# Altium PCB PCB-MB202-00.PcbDoc (part 2 of 7) (continued)
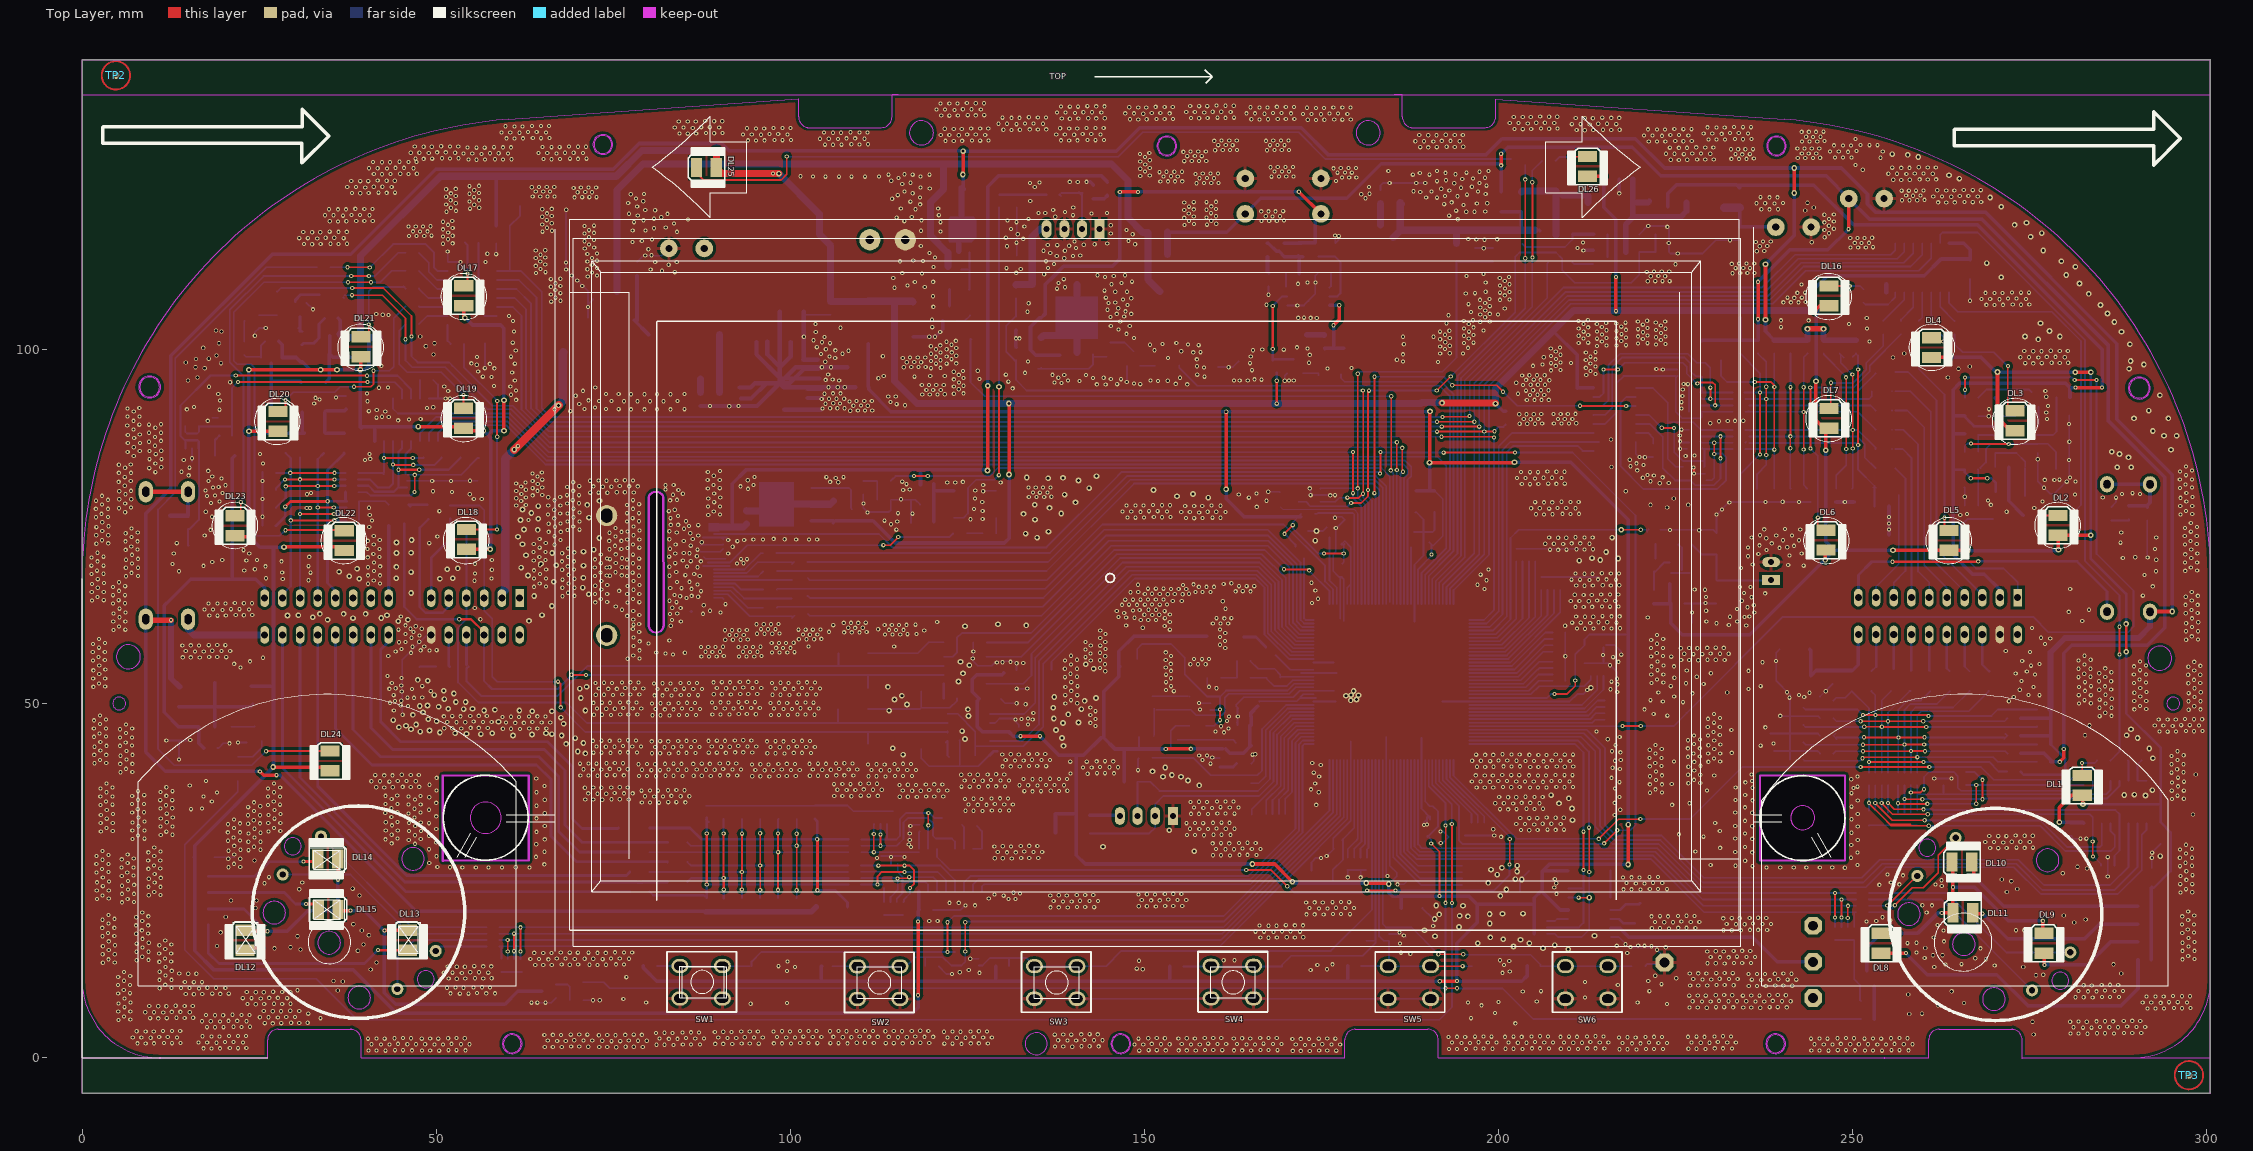
[diagram p0: Top Layer view]
## Nets (pads, with @x,y where several pads share a name; then routed paths per layer and width w, separated by ;. In a path a pad name is that pad's centre, name@x,y a point inside that pad or via, vN(x,y) a via of type N, cw(c..) or ccw(c..) an arc to the next point about the centre after c; other vN are vias at no path point) (continued)
AD8: DZ5.1 RP8.5 RP10.8 U17.4 | length 21.7
  Top Layer w0.25: v1(223.101,89.002) 223.127,88.976 v1(224.828,88.976)
  Bottom Layer w0.25: U17.4@219.445,90.806 221.296,90.806 v1(223.101,89.002) ; v1@224.854,88.951 224.854,85.522 226.059,84.316 229.125,84.316 ; RP10.8@228.745,86.028 RP10.8@228.885,86.028 ; RP10.8@228.865,86.048 RP10.8@228.885,86.028 ; DZ5.1@229.075,83.466 229.065,83.456 229.055,83.456 229.125,83.526 RP10.8@229.125,86.028 ; RP8.5@233.115,85.978 RP10.8@229.125,85.978 ; RP10.8@228.885,86.028 RP10.8@229.125,86.028 ; RP10.8@228.885,86.028 228.935,85.978 RP10.8@229.125,85.978 ; RP10.8@229.125,85.978 RP10.8@229.125,86.028
AD9: DZ7.6 RP15.8 RP18.5 U18.13 | length 49.3
  Top Layer w0.25: v4(252.365,36.017) 252.365,35.96 254.38,33.946 ; 258.28,32.995 255.331,32.995 254.38,33.946 ; v1(260.82,32.791) 255.534,32.791 254.38,33.946
  Bottom Layer w0.25: RP15.8@252.363,38.508 252.365,38.506 v4(252.365,36.017) RP18.5@252.365,34.947 ; v1(260.82,32.791) 276.543,32.791 280.124,29.21 286.5,29.21 287.071,29.781 DZ7.6@287.071,30.309 287.071,31.458 286.499,32.03 U18.13@286.499,33.144
AD10: DZ7.4 RP15.7 RP18.6 U18.14 | length 41.4
  Top Layer w0.25: v4(253.265,36.015) 253.265,35.937 255.649,33.553 v1(260.236,33.553)
  Bottom Layer w0.25: RP18.6@253.265,34.947 v4(253.265,36.015) RP15.7@253.265,38.506 ; v1(260.236,33.553) 260.261,33.528 276.568,33.528 280.302,29.794 285.001,29.794 285.229,30.023 U18.14@285.229,33.144
AD11: DZ7.3 RP15.6 RP18.7 U18.15 | length 41.6
  Top Layer w0.25: v4(254.165,35.992) 254.165,35.94 255.688,34.417 v1(260.668,34.417) ; v1@283.959,28.448 v1(283.959,30.556)
  Bottom Layer w0.25: RP15.6@254.163,38.508 254.165,38.506 v4(254.165,35.992) RP18.7@254.165,34.947 ; v1(260.668,34.417) 276.238,34.417 276.24,34.419 283.53,34.419 283.959,33.99 U18.15@283.959,33.144 v1(283.959,30.556) ; v1@283.959,28.448 284.081,28.448 285.146,27.383 DZ7.3@285.146,27.159
  other v1: 284.01,28.448
AD12: DZ7.1 RP15.5 RP18.8 U18.12 | length 44.9
  Top Layer w0.25: v4(255.065,35.995) 255.957,35.103 260.007,35.103 v1@260.058,35.052
  Bottom Layer w0.25: RP15.5@255.063,38.508 255.065,38.506 v4(255.065,35.995) RP18.8@255.065,34.625 ; v1@260.058,35.052 v1@260.084,35.027 ; v1@260.058,35.092 261.354,35.092 261.444,35.001 287.185,35.001 287.769,34.417 U18.12@287.769,33.144 287.769,29.286 287.046,28.563 DZ7.1@287.046,27.159
  other v1: 260.058,35.103
AD12-0: C82.2 DZ15.1 R160.1 R161.2 U10.83 | length 73.2
  Top Layer w0.25: v1@180.175,80.289 v1(180.175,80.442) 180.175,94.488 ; 180.175,95.352 180.175,94.488 ; v1(180.175,96.622) 180.175,94.488
  Bottom Layer w0.25: DZ15.1@174.911,80.429 174.923,80.442 v1(180.175,80.442) 180.175,79.172 181.187,78.16 181.187,76.911 ; v1(180.175,96.622) 180.455,96.901 192.139,96.901 194.12,98.882 R160.1@194.12,112.497 ; U10.83@181.187,64.093 181.187,76.911 ; 181.187,77.207 181.187,76.911
  Bottom Layer w0.3: R160.1@194.12,112.497 194.14,112.476 C82.2@196.711,112.476 R161.2@199.276,112.476
AD12-1: C53.2 DZ15.3 R27.1 R45.2 U10.84 | length 99.8
  Top Layer w0.25: v1(178.702,79.121) 178.742,79.081 180.288,79.081 180.937,79.731 v1@180.937,94.234
  Bottom Layer w0.25: 130.518,99.973 130.518,100.279 ; C53.2@131.707,98.506 131.707,98.532 130.518,99.72 130.518,100.279 ; R27.1@131.89,107.29 R45.2@131.89,104.668 131.783,104.668 130.518,103.403 130.518,100.279 ; C53.2@131.915,98.577 C53.2@131.915,98.506 131.915,95.733 133.388,94.259 v1(180.886,94.259) v1@180.963,94.259 ; DZ15.3@174.911,78.529 176.993,78.529 177.584,79.121 v1(178.702,79.121) ; v1@180.912,79.756 v1(180.912,79.68) 180.912,79.172 181.687,78.397 U10.84@181.687,64.093
AD12-2: C18.2 DZ15.4 R67.2 R104.1 U10.85 | length 103.9
  Top Layer w0.25: v1@179.235,78.359 180.632,78.359 181.623,79.35 v1(181.623,80.213) 181.623,94.056 v1@181.775,94.209 ; v1(191.326,94.259) v1(193.307,96.241)
  Bottom Layer w0.2: DZ15.4@171.761,78.529 172.893,78.529 173.493,77.929 178.738,77.929 179.193,78.384 v1(179.235,78.384)
  Bottom Layer w0.25: v1(181.623,80.213) 181.623,79.273 182.187,78.709 U10.85@182.187,64.093 ; v1@181.775,94.259 v1(191.326,94.259) ; v1(193.307,96.241) 202.4,105.334 202.4,113.132 203.01,113.741 208.166,113.741 209.055,112.852 209.055,111.227 210.808,109.474 218.809,109.474 219.929,110.594 R104.1@219.929,113.805 219.939,113.815 R67.2@222.219,113.815 C18.2@222.219,116.283
  other v1: 181.75,94.234
AD13: DZ8.6 RP5.5 RP17.8 U18.1 | length 34.3
  Top Layer w0.25: v4@256.505,35.975 v4(256.485,35.955) 256.6,35.839 260.468,35.839 v1@260.505,35.876 ; v1(267.526,35.89) v1(267.526,38.545)
  Bottom Layer w0.25: RP5.5@256.485,34.645 v4(256.485,35.955) 256.485,38.49 RP17.8@256.503,38.508 ; v1@260.505,35.876 267.511,35.876 v1(267.526,35.89) ; DZ8.6@266.059,38.545 U18.1@282.664,38.545
  other v1: 260.617,35.876
AD14: DZ8.4 RP5.6 RP17.7 U18.5 | length 42.5
  Top Layer w0.25: v4@257.386,36.655 257.515,36.525 v1(259.906,36.525) ; v1(268.415,36.525) v1(268.415,39.268)
  Bottom Layer w0.25: RP5.6@257.385,34.645 v4(257.385,36.551) 257.385,36.654 257.385,38.49 RP17.7@257.403,38.508 ; v1@259.906,36.551 259.92,36.565 268.375,36.565 v1(268.415,36.525) ; 267.188,40.393 DZ8.4@266.059,40.393 267.264,40.393 268.389,39.268 v1(268.415,39.268) ; v1@268.415,36.565 268.464,36.614 285.975,36.614 287.769,38.409 U18.5@287.769,39.144
AD15: DZ8.3 RP5.7 RP17.6 U18.2 | length 36.4
  Top Layer w0.25: v4@258.285,37.335 258.44,37.49 259.677,37.49 v1(260.134,37.948)
  Bottom Layer w0.25: RP5.7@258.285,34.645 v4(258.285,37.49) 258.285,38.49 RP17.6@258.303,38.508 ; v1(260.134,37.948) 260.134,39.675 260.853,40.393 DZ8.3@262.909,40.393 ; DZ8.3@262.887,40.371 DZ8.3@262.909,40.393 ; 265.441,37.721 266.713,37.721 ; U18.2@283.959,39.144 283.959,38.125 283.555,37.721 266.713,37.721 ; DZ8.3@262.909,40.393 264.318,40.393 264.91,39.802 264.91,38.176 265.36,37.726 266.708,37.726 266.713,37.721
AD16: DZ8.1 RP5.8 RP17.5 U18.4 | length 33.8
  Bottom Layer w0.25: RP5.8@259.185,34.922 259.185,37.236 ; RP17.5@259.203,38.508 259.185,38.49 259.185,37.236 ; DZ8.1@262.848,38.432 DZ8.1@262.909,38.493 262.909,37.227 ; U18.4@286.499,39.144 286.499,37.846 285.875,37.221 262.903,37.221 259.2,37.221 259.185,37.236
AD17: DZ10.6 RP21.4 RP23.1 U20.13 | length 19.2
  Top Layer w0.25: v1@112.357,24.435 v1@112.357,24.714 ; v1@112.357,24.562 v1@112.357,24.714 ; v1(116.167,26.264) 112.967,26.264 112.357,25.654 v1@112.357,24.714
  Bottom Layer w0.25: RP21.4@110.02,24.478 111.24,24.478 ; v1@112.103,24.478 111.24,24.478 ; 113.029,24.478 111.24,24.478 ; DZ10.6@113.259,23.996 113.259,22.009 RP23.1@113.272,21.996 ; v1(116.167,26.264) 120.815,26.264 122.009,25.07 U20.13@122.009,23.54
  other v1: 112.357,24.478
AD18: DZ10.4 RP21.3 RP23.2 U20.14 | length 16.9
  Top Layer w0.25: v1@115.177,25.298 115.253,25.375 116.675,25.375 v1(116.828,25.527)
  Bottom Layer w0.25: RP21.3@110.02,25.378 110.042,25.4 v1@115.126,25.4 ; RP23.2@114.172,21.996 114.172,22.703 115.209,23.741 DZ10.4@115.209,24.225 ; 115.209,25.019 DZ10.4@115.209,24.225 ; v1@115.209,25.266 DZ10.4@115.209,24.225 ; v1(116.828,25.527) 120.206,25.527 120.739,24.994 U20.14@120.739,23.54
  other v1: 115.151,25.349
AD19: DZ10.3 RP21.2 RP23.3 U20.15 | length 15.8
  Bottom Layer w0.25: RP21.2@110.02,26.278 115.195,26.278 ; RP23.3@115.072,21.996 115.072,22.476 115.862,23.266 115.862,25.603 115.209,26.256 DZ10.3@115.209,27.375 ; 115.862,24.816 119.139,24.816 119.469,24.486 U20.15@119.469,23.54
AD20: DZ10.1 RP21.1 RP23.4 U20.12 | length 23.3
  Top Layer w0.25: v1(112.459,27.153) v1(116.142,27.153) 116.878,27.153 117.513,26.518 117.513,24.587 v1(116.929,24.003)
  Bottom Layer w0.25: RP21.1@110.02,27.178 110.046,27.153 v1(112.459,27.153) DZ10.1@113.272,27.153 ; RP23.4@115.972,21.996 116.091,22.116 116.091,22.377 116.929,23.216 v1(116.929,24.003) ; v1(116.142,27.153) 121.247,27.153 123.279,25.121 U20.12@123.279,23.54
AD21: DZ11.1 RP22.8 RP24.4 U20.1 | length 14.6
  Top Layer w0.25: v1(111.824,29.058) v1(111.824,31.623)
  Bottom Layer w0.25: RP22.8@110.068,29.058 U20.1@118.225,29.058 ; v1(111.824,31.623) 111.824,32.977 RP24.4@111.867,33.02 ; U20.1@118.199,29.54 118.199,31.883 DZ11.1@118.282,31.966
AD22: DZ11.3 RP22.7 RP24.3 U20.5 | length 23.1
  Top Layer w0.25: v1(112.767,29.954) 112.767,30.361 v1(112.767,31.543)
  Bottom Layer w0.25: RP22.7@110.498,29.958 RP22.7@110.068,29.958 115.061,29.958 116.015,30.912 116.015,33.274 116.606,33.866 DZ11.3@118.282,33.866 119.451,33.866 120.195,33.122 120.195,32.563 120.18,32.548 120.18,31.394 120.587,30.988 122.847,30.988 123.279,30.556 U20.5@123.279,29.54 ; v1(112.767,31.543) RP24.3@112.767,33.02
AD23: DZ11.4 RP22.6 RP24.2 U20.2 | length 22.3
  Top Layer w0.25: v1(119.52,32.842) v1(119.52,34.595)
  Bottom Layer w0.25: 110.633,30.858 RP22.6@110.068,30.858 115.021,30.858 115.507,31.344 115.507,33.68 116.421,34.595 v1(119.52,34.595) 119.672,34.595 119.774,34.493 119.799,34.493 120.427,33.866 DZ11.4@121.432,33.866 ; 113.667,30.923 RP24.2@113.667,33.02 ; U20.2@119.469,29.54 119.469,32.791 v1(119.52,32.842)
AD25: DZ14.1 DZ14.3 R83.2 R95.2 U5.5 | length 60.3
  Top Layer w0.3: v1(21.705,96.368) 40.221,96.368 v1(40.247,96.342)
  Bottom Layer w0.3: DZ14.3@14.585,86.087 14.585,87.064 14.745,87.224 ; R95.2@14.999,72.385 14.974,72.41 R83.2@14.974,74.681 15.182,74.681 16.498,75.997 16.498,85.998 DZ14.1@16.384,86.112 ; DZ14.1@16.485,86.087 16.485,87.033 16.294,87.224 14.745,87.224 ; v1(21.705,96.368) 18.149,96.368 13.881,92.1 13.881,87.859 14.516,87.224 14.745,87.224 ; v1(40.247,96.342) 44.565,96.342 46.444,94.463 U5.5@46.444,93.116
AD28: D35.1 DZ14.4 DZ14.6 R143.2 R144.2 U5.4 | length 41.4
  Top Layer w0.25: v1@22.009,95.468 40.283,95.468 v1(40.297,95.453) 40.323,95.453 v1@40.374,95.58
  Bottom Layer w0.25: DZ14.4@14.585,89.237 14.585,88.425 14.821,88.189 16.269,88.189 16.51,88.43 DZ14.6@16.51,89.237 16.568,89.179 21.171,89.179 ; R143.2@21.166,87.859 21.171,87.864 21.171,89.179 ; v1@21.984,95.453 21.171,94.64 21.171,89.179 ; v1@40.323,95.453 40.475,95.428 44.184,95.428 45.174,94.437 U5.4@45.174,93.116
  other v1: 22.009,95.453
ADC0: U10.86 U17.3 | length 72
  Top Layer w0.25: v1(182.512,79.756) 182.537,79.781 182.537,92.354 ; 182.537,92.812 182.537,92.354 ; v1(182.537,96.19) 182.537,92.354 ; v1(193.506,95) 199.78,95 v1(200.698,94.082) ; v1(211.57,92.1) 211.595,92.075 v1(218.072,92.075)
  Bottom Layer w0.25: v1(182.537,96.19) 190.564,96.19 ; U10.86@182.687,64.093 182.687,78.689 ; 182.687,79.022 182.687,78.689 ; v1@182.687,79.683 182.687,78.689 ; 191.097,96.19 190.564,96.19 ; v1@193.536,94.971 192.316,96.19 190.564,96.19 ; v1@200.711,94.069 202.68,92.1 v1(211.57,92.1) ; v1(218.072,92.075) 219.444,92.075 U17.3@219.445,92.076
ADC1: U10.1 U18.3 | length 104.3
  Top Layer w0.25: v1(214.211,30.937) 216.993,33.719 v1@219.837,33.719 ; v1(251.194,41.097) 251.168,41.072 v1(260.896,41.072)
  Bottom Layer w0.25: U10.1@193.687,42.093 193.687,39.857 202.606,30.937 v1(214.211,30.937) ; v1(220.079,33.731) 227.14,33.731 234.497,41.088 251.185,41.088 v1(251.194,41.097) ; v1(260.896,41.072) 268.161,41.072 268.326,40.907 ; 268.212,41.021 268.326,40.907 ; U18.3@285.229,39.144 285.229,40.234 284.772,40.691 282.258,40.691 280.835,39.268 269.964,39.268 268.326,40.907
ADC2: U10.2 U20.3 | length 105.3
  Top Layer w0.25: v1(164.427,26.543) 167.907,26.543 v1(170.218,24.232) ; v1@181.775,23.647 v1@185.408,23.647 ; v1(201.587,27.305) 201.638,27.356 v1@201.638,30.658
  Bottom Layer w0.25: U20.3@120.739,29.54 120.739,28.372 121.996,27.114 ; 122.085,27.026 121.996,27.114 ; 162.243,26.518 161.963,26.518 ; v1(164.427,26.543) 164.402,26.518 161.963,26.518 ; v1(170.218,24.232) 170.269,24.232 171.125,23.376 181.072,23.376 v1@181.496,23.8 ; v1@185.357,23.622 199.403,23.622 201.587,25.806 v1(201.587,27.305) ; 193.187,40.063 193.187,39.649 ; U10.2@193.187,42.093 193.187,39.649 ; v1(201.638,30.912) 201.638,31.198 193.187,39.649 ; 121.996,27.114 122.593,26.518 161.963,26.518
  other v1: 181.496,23.647 185.509,23.647
ADC3: U5.3 U10.82 | length 162
  Top Layer w0.25: v1@179.489,79.781 v1(179.489,85.573)
  Bottom Layer w0.25: U5.3@43.904,93.116 43.904,91.719 44.615,91.008 58.865,91.008 ; 58.484,91.008 58.865,91.008 ; v1@179.489,79.858 179.489,79.096 180.687,77.898 U10.82@180.687,64.093 ; v1@179.515,85.522 65.909,85.522 60.422,91.008 58.865,91.008
  other v1: 179.489,79.756
AN-12V: D3.1 U10.101 | length 48.4
  Bottom Layer w0.25: D3.1@177.784,96.19 177.784,96.016 178.296,95.504 191.961,95.504 193.68,93.785 193.68,71.544 193.178,71.042 190.187,68.051 U10.101@190.187,64.093 ; D3.1@177.809,96.52 177.809,96.27 D3.1@177.837,96.242
AN-POW_1: D33.1 U10.93 | length 185.1
  Top Layer w0.25: v1(38.113,107.721) 42.431,107.721 45.682,104.47 v1(45.682,101.498) ; v1(186.449,86.157) 186.449,82.779 v1(186.551,82.779)
  Bottom Layer w0.25: D33.1@36.89,107.417 D33.1@36.999,107.307 ; D33.1@37.076,107.721 v1(38.113,107.721) ; v1(45.682,101.498) 45.682,98.501 46.647,97.536 51.321,97.536 56.795,92.062 ; 56.884,91.973 56.795,92.062 ; 60.363,91.592 59.855,91.592 ; U10.93@186.187,64.093 186.187,81.001 ; 186.187,81.229 186.187,81.001 ; v1@186.373,86.248 65.962,86.248 60.617,91.592 59.855,91.592 ; v1(186.551,82.779) 186.449,82.779 186.187,82.517 186.187,81.001 ; 56.795,92.062 57.265,91.592 59.855,91.592
AN-POW_2: D21.1 U10.92 | length 193.9
  Top Layer w0.25: v1(38.164,108.737) 42.558,108.737 46.52,104.775 v1(46.52,101.879) ; v1(185.687,83.033) v1@185.687,86.893
  Bottom Layer w0.25: D21.1@27.547,108.226 28.058,108.737 v1(38.164,108.737) ; v1(46.52,101.879) 46.52,99.085 47.384,98.222 51.829,98.222 52.248,97.803 ; 52.362,97.688 52.248,97.803 ; U10.92@185.687,64.093 v1(185.687,83.033) ; v1@185.839,86.843 185.763,86.919 66.028,86.919 60.835,92.111 59.921,92.111 59.907,92.098 57.953,92.098 52.248,97.803
  other v1: 185.687,86.944
BELL: Q9.2 U10.113 | length 38.6
  Top Layer w0.25: v2@217.437,74.651 v2(217.386,74.6) 220.18,74.6 v3@220.256,74.6
  Bottom Layer w0.25: U10.113@195.937,59.843 199.633,59.843 201.74,61.951 201.74,73.431 202.908,74.6 v2(217.386,74.6) ; v3@220.282,74.625 220.256,74.6 220.917,74.6 Q9.2@221.069,74.447 ; Q9.2@221.069,74.244 Q9.2@221.069,74.447 ; Q9.2@221.247,74.625 Q9.2@221.069,74.447
  other v3: 220.129,74.6
BKGD: DZ6.4 DZ6.6 J1.1 R58.2 U10.53 | length 34.4
  Bottom Layer w0.2: J1.1@151.167,51.143 151.234,51.076 DZ6.6@156.231,51.076 ; R58.2@151.337,45.443 151.437,45.543 J1.1@151.437,49.353 ; J1.1@151.717,49.123 151.745,49.151 DZ6.4@156.231,49.151 156.614,49.151 157.353,48.412 160.973,48.412 161.387,48.827 161.387,50.843 161.949,51.405 170.459,51.405 171.398,52.343 U10.53@173.937,52.343 ; DZ6.6@156.377,51.063 DZ6.6@156.407,51.033
CAN0-HR: JA1.11 R66.2 | length 12.6
  Top Layer w0.35: JA1.11@49.286,64.937 JA1.11@49.472,65.123
  Bottom Layer w0.35: JA1.11@49.286,64.937 49.286,70.583 51.981,73.279 R66.2@51.981,76.129
CAN0_H: C6.2 D32.2 JA1.7 R5.2 U1.7 | length 95.9
  Bottom Layer w0.25: R5.2@54.286,75.072 JA1.7@54.286,64.937 54.286,61.944 53.099,60.757 53.099,53.035 55.944,50.19 68.39,50.19 71.279,47.301 U1.7@122.211,47.301 ; 106.774,47.357 D32.2@106.774,49.214
CAN0_L: C11.2 D25.2 JA1.5 R5.1 R66.1 U1.6 | length 100.6
  Top Layer w0.25: v1@67.12,53.213 v1@67.221,53.213 ; v1@67.323,53.213 v1@67.221,53.213 ; v1(67.602,49.505) 67.577,49.53 67.577,52.857 v1@67.221,53.213
  Bottom Layer w0.25: R66.1@51.981,78.029 56.096,78.029 56.807,77.318 56.807,75.694 R5.1@56.503,75.389 R5.1@56.757,75.643 ; R5.1@56.786,75.106 JA1.5@56.786,64.937 56.786,63.141 57.925,62.001 57.925,53.823 58.611,53.137 67.044,53.137 v1@67.12,53.213 ; v1(67.602,49.505) 71.076,46.031 U1.6@122.211,46.031 ; D25.2@110.981,44.359 110.981,46.01
  Bottom Layer w0.4: U1.6@122.211,46.031 U1.6@122.211,46.031
  other v1: 67.221,53.137
CAN1-HR: JA1.13 R151.1 | length 10.2
  Bottom Layer w0.5: JA1.13@43.286,64.937 R151.1@43.286,75.15
CAN1_H: C5.2 D40.2 JA1.8 R6.2 U2.7 | length 78.1
  Bottom Layer w0.3: R6.2@54.552,55.245 54.293,54.986 54.293,53.188 56.35,51.13 67.171,51.13 71.408,55.368 U2.7@121.689,55.368 ; 106.825,55.424 D40.2@106.825,57.114
  Bottom Layer w0.4: R6.2@54.286,55.511 JA1.8@54.286,59.737
CAN1_L: C9.2 D39.2 JA1.6 R6.1 R151.2 U2.6 | length 99.7
  Top Layer w0.3: v1(53.277,61.951) 54.928,61.951 56.786,60.093 JA1.6@56.786,59.737 ; v1@69.126,54.073 v1@71.157,54.073
  Bottom Layer w0.3: R151.2@45.499,75.463 45.499,63.708 47.257,61.951 51.448,61.951 ; 51.626,61.951 51.448,61.951 ; v1(53.277,61.951) 51.448,61.951 ; JA1.6@56.786,59.737 56.786,53.209 57.9,52.095 67.196,52.095 69.126,54.026 v1(69.126,54.102) ; v1@71.108,54.077 v1(71.158,54.077) 118.529,54.097 U2.6@121.689,54.098 ; D39.2@111.006,52.259 111.006,54.043
CAN_SHLD0: JA1.9 R12.2 | length 18.9
  Bottom Layer w0.35: R12.2@48.908,76.078 47.689,74.859 47.689,63.703 48.527,62.865 50.915,62.865 51.786,63.736 JA1.9@51.786,64.937
CAN_SHLD1: JA1.10 R13.2 | length 5.4
  Bottom Layer w0.35: JA1.10@51.786,58.845 JA1.10@51.786,59.737 51.786,55.41 R13.2@51.926,55.27
CANRX0: U1.4 U10.63 | length 69.7
  Bottom Layer w0.25: U1.4@128.211,44.761 132.81,44.761 135.141,47.092 135.141,56.032 147.892,68.783 166.002,68.783 167.967,66.818 167.967,65.608 ; 167.967,65.807 167.967,65.608 ; U10.63@173.937,57.343 170.838,57.343 167.993,60.188 167.993,60.192 167.967,60.218 167.967,65.608
CANRX1: U2.4 U10.65 | length 65.3
  Bottom Layer w0.25: U2.4@127.689,52.828 130.645,52.828 ; 132.14,52.828 130.645,52.828 ; U10.65@173.937,58.343 171.26,58.343 168.967,60.637 168.967,67.287 166.277,69.977 147.003,69.977 134.074,57.048 134.074,54 132.902,52.828 130.645,52.828
CANTX0: U1.1 U10.64 | length 67.3
  Bottom Layer w0.25: U1.1@128.211,48.571 133.039,48.571 134.633,50.165 134.633,56.515 147.485,69.367 166.18,69.367 168.467,67.08 168.467,65.43 ; 168.467,66.017 168.467,65.43 ; U10.64@173.937,57.843 171.049,57.843 168.467,60.425 168.467,65.43
CANTX1: U2.1 U10.66 | length 61
  Bottom Layer w0.25: U2.1@127.689,56.638 132.648,56.638 146.596,70.587 166.408,70.587 169.467,67.528 169.467,66.294 ; 169.467,66.443 169.467,66.294 ; U10.66@173.937,58.843 171.471,58.843 169.467,60.848 169.467,66.294
CLOCK_M1: U10.105 U14.11 U22.11 | length 258.2
  Top Layer w0.25: v1(191.351,89.84) v1(196.634,89.84)
  Bottom Layer w0.25: U22.11@58.581,109.855 61.71,109.855 64.199,107.366 64.199,91.719 66.104,89.814 191.3,89.814 v1@191.377,89.891 ; U10.105@192.187,64.093 192.187,66.8 196.634,71.247 196.634,95.275 209.538,108.179 237.706,108.179 242.405,112.878 256.375,112.878 257.34,113.843 U14.11@257.34,115.057
CLOCK_OUT: U10.106 U14.12 U22.12 | length 260.3
  Top Layer w0.25: v1@192.189,89.154 v1(197.32,89.154)
  Bottom Layer w0.25: U22.12@58.581,108.585 61.354,108.585 63.411,106.528 63.411,91.719 65.977,89.154 191.961,89.154 v1@192.012,89.205 ; U10.106@192.687,64.093 192.687,66.487 197.32,71.12 197.32,95.148 209.792,107.62 211.747,107.62 ; 210.376,107.62 211.747,107.62 ; 220.51,107.62 220.764,107.62 ; U14.12@258.61,115.057 258.61,113.614 257.29,112.293 242.812,112.293 238.138,107.62 220.764,107.62 ; 211.747,107.62 220.764,107.62
  other v1: 192.037,89.154
CP1: R96.2 U10.139 | length 162.9
  Top Layer w0.25: v1(217.564,46.863) v1(220.129,46.863) ; v1(265.926,94.368) v1(265.926,96.088) ; v1(281.42,95.733) v1(284.518,95.733)
  Bottom Layer w0.25: U10.139@195.937,46.843 212.713,46.843 213.983,46.843 217.544,46.843 v1(217.564,46.863) ; v1(220.129,46.863) 224.778,46.863 226.39,48.476 ; 224.854,46.939 226.39,48.476 ; 226.606,48.692 226.695,48.781 ; v1(265.926,94.368) 265.931,94.363 R96.2@265.931,93.218 ; v1(265.926,96.088) 267.932,96.088 ; 268.288,96.088 267.932,96.088 ; 280.556,96.088 280.353,96.088 ; v1(281.42,95.733) 281.064,96.088 280.353,96.088 ; v1(284.518,95.733) 284.518,71.171 289.725,65.964 289.725,60.884 288.963,60.122 277.711,60.122 275.552,62.281 240.195,62.281 226.695,48.781 ; 226.39,48.476 226.695,48.781 ; 267.932,96.088 280.353,96.088
DA1: U10.110 U17.11 | length 42.3
  Bottom Layer w0.25: U10.110@195.937,61.343 198.364,61.343 200.089,63.068 200.089,86.36 201.995,88.266 U17.11@213.445,88.266
DA2: U10.140 U18.11 | length 117.9
  Bottom Layer w0.25: U10.140@195.937,46.343 212.521,46.343 215.075,43.79 215.075,32.929 216.584,31.42 223.05,31.42 229.045,25.425 251.346,25.425 253.911,27.991 273.469,27.991 277.051,24.409 286.449,24.409 289.039,27 U18.11@289.039,33.144
DA3: U10.39 U20.11 | length 66.3
  Bottom Layer w0.25: U20.11@124.549,23.54 124.549,24.765 125.489,25.705 164.732,25.705 171.379,32.352 171.379,44.518 172.204,45.343 U10.39@173.937,45.343
DA4: U5.11 U10.99 | length 170.9
  Bottom Layer w0.25: U5.11@47.714,87.116 47.714,88.24 49.975,90.5 60.186,90.5 65.799,84.887 191.427,84.887 192.68,83.634 192.68,71.992 189.187,68.499 U10.99@189.187,64.093
DB1: U10.111 U17.10 | length 42.8
  Bottom Layer w0.25: U10.111@195.937,60.843 198.778,60.843 200.622,62.687 200.622,85.877 201.741,86.996 U17.10@213.445,86.996 U17.10@214.286,86.996
DB2: U10.141 U18.10 | length 119.6
  Bottom Layer w0.25: U10.141@195.937,45.843 212.107,45.843 214.364,43.586 214.364,32.766 216.37,30.759 222.923,30.759 228.918,24.765 251.575,24.765 254.229,27.42 273.152,27.42 276.873,23.698 287.008,23.698 290.309,27 U18.10@290.309,33.144
DB3: U10.38 U20.10 | length 64.6
  Bottom Layer w0.25: U20.10@125.819,23.54 125.819,24.46 126.556,25.197 164.994,25.197 171.879,32.081 171.879,44.282 172.441,44.843 U10.38@173.937,44.843
DB4: U5.10 U10.95 | length 162.8
  Bottom Layer w0.25: U5.10@48.984,87.116 48.984,88.24 50.61,89.865 60.113,89.865 65.625,84.353 186.855,84.353 187.726,83.483 187.726,82.15 187.187,81.612 U10.95@187.187,64.093
DC1: U10.112 U17.9 | length 42.2
  Bottom Layer w0.25: U10.112@195.937,60.343 199.218,60.343 201.206,62.332 201.206,85.547 202.095,86.436 211.214,86.436 211.924,85.726 U17.9@213.445,85.726
DC2: U10.142 U18.9 | length 121.1
  Bottom Layer w0.25: U10.142@195.937,45.343 211.692,45.343 213.703,43.332 213.703,32.639 216.142,30.201 222.695,30.201 228.791,24.105 251.905,24.105 254.72,26.92 272.839,26.92 276.619,23.139 287.516,23.139 290.894,26.518 290.894,31.521 291.579,32.207 U18.9@291.579,33.144
DC3: U10.37 U20.9 | length 63
  Bottom Layer w0.25: U20.9@127.089,23.54 127.089,24.206 127.394,24.511 165.015,24.511 172.379,31.874 172.379,44.074 172.648,44.343 U10.37@173.937,44.343
DC4: U5.9 U10.94 | length 160.4
  Bottom Layer w0.25: U5.9@50.254,87.116 50.254,88.24 51.359,89.345 59.927,89.345 65.452,83.82 186.627,83.82 187.226,83.221 187.226,82.412 186.687,81.874 U10.94@186.687,64.093
DOWNLOAD: R156.2 U10.89 | length 108.6
  Bottom Layer w0.25: R156.2@98.076,71.303 134.785,71.303 ; 135.522,71.303 134.785,71.303 ; U10.89@184.187,64.093 184.187,80.723 182.741,82.169 147.562,82.169 136.696,71.303 134.785,71.303
EIN-AD02: C76.1 JA1.19 R8.2 RP25.5 RP26.4 | length 35.3
  Top Layer w0.4: v1(28.69,77.851) 29.426,78.588 34.557,78.588 v1@34.659,78.689
  Bottom Layer w0.4: C76.1@27.369,75.159 28.69,76.479 v1(28.69,77.851) ; v1@34.633,78.613 RP26.4@37.144,78.613 ; JA1.19@35.786,64.937 35.786,65.954 34.684,67.056 34.684,83.007 36.995,85.319 R8.2@36.995,85.414 ; RP25.5@37.202,79.901 37.202,78.744 RP26.4@37.326,78.621
  other v1: 34.684,78.613
EIN-AD03: C77.1 JA1.21 R19.2 RP25.6 RP26.3 | length 37
  Top Layer w0.3: v1(28.766,80.721) 28.817,80.772 v1(33.286,80.772) 33.293,80.779 v1(35.624,80.779) ; v1(33.286,77.724) v1(35.541,77.724)
  Bottom Layer w0.3: C77.1@27.369,77.69 28.766,79.087 v1(28.766,80.721) ; JA1.21@33.286,64.937 v1(33.286,80.772) 33.286,84.549 R19.2@34.176,85.44 ; v1(35.541,77.724) 35.544,77.721 RP26.3@37.326,77.721 ; v1(35.624,80.779) 35.602,80.801 RP25.6@37.202,80.801
EIN-AD04: C30.1 JA1.23 R20.2 RP25.7 RP26.2 | length 37
  Top Layer w0.3: v1(28.65,81.701) v1(35.635,81.701) ; v1(30.775,76.821) v1(35.562,76.821)
  Bottom Layer w0.3: C30.1@27.369,80.222 27.369,80.42 v1(28.65,81.701) ; JA1.23@30.786,64.937 v1(30.786,81.712) R20.2@30.786,84.793 ; v1(35.562,76.821) RP26.2@37.326,76.821 ; v1(35.635,81.701) RP25.7@37.202,81.701
EIN-AD05: C79.1 JA1.25 R30.2 RP25.8 RP26.1 | length 39
  Top Layer w0.3: v1(29.401,82.626) v1(35.649,82.626) ; v1(29.466,75.921) v1(35.624,75.921)
  Bottom Layer w0.3: C79.1@27.369,82.626 v1@29.426,82.626 ; JA1.25@28.286,64.937 28.286,65.433 29.466,66.613 29.466,84.714 R30.2@28.766,85.414 ; v1(35.624,75.921) RP26.1@37.326,75.921 ; v1(35.649,82.626) 35.675,82.601 RP25.8@37.202,82.601
EIN-ST01: JB1.5 R182.1 | length 38.1
  Bottom Layer w0.25: R182.1@256.147,96.876 256.106,96.876 257.925,96.876 261.912,92.888 261.912,71.857 268.368,65.401 JB1.5@268.368,64.999
EIN-ST02: JB1.7 R183.1 | length 34.5
  Bottom Layer w0.25: R183.1@255.572,94.154 R183.1@255.614,94.154 ; R183.1@256.106,94.154 258.182,94.154 261.1,91.237 261.1,70.637 265.868,65.869 JB1.7@265.868,64.999
EIN-ST03: JB1.9 R186.1 | length 30.5
  Bottom Layer w0.25: R186.1@255.572,91.432 R186.1@255.614,91.432 ; R186.1@256.106,91.432 257.78,91.432 260.185,89.027 260.185,69.596 263.368,66.413 JB1.9@263.368,64.999
EIN-ST04: JB1.11 R187.1 | length 26.4
  Bottom Layer w0.25: R187.1@255.572,88.711 R187.1@255.614,88.711 ; R187.1@256.106,88.711 257.225,88.711 259.296,86.639 259.296,84.506 259.296,68.707 260.868,67.135 JB1.11@260.868,64.999
EIN-ST05: JB1.13 R190.1 | length 22.6
  Bottom Layer w0.25: R190.1@255.572,85.989 R190.1@255.614,85.989 ; R190.1@256.106,85.989 257.118,85.989 258.368,84.739 JB1.13@258.368,64.999
EIN-ST06: JB1.15 R191.1 | length 19.5
  Bottom Layer w0.25: JB1.15@255.868,64.999 255.868,67.107 257.518,68.758 257.518,81.855 R191.1@256.106,83.267
EIN-ST07: JB1.17 R198.1 | length 15.9
  Bottom Layer w0.25: JB1.17@253.368,64.999 253.368,66.538 256.578,69.748 256.578,79.54
EIN-ST09: C101.2 D41.2 D42.2 JB1.20 R201.1 | length 21.5
  Bottom Layer w0.35: D42.2@244.172,53.97 244.802,54.6 R201.1@249.949,54.6
  Bottom Layer w0.5: D41.2@243.979,57.709 244.172,57.516 D42.2@244.172,53.97 244.934,54.732 C101.2@247.257,54.732 250.081,54.732 250.868,55.519 JB1.20@250.868,59.799
EIN-ST10: JB1.18 R203.1 | length 5.5
  Bottom Layer w0.25: R203.1@252.718,54.6 R203.1@253.368,55.25
  Bottom Layer w0.35: R203.1@253.368,55.25 JB1.18@253.368,59.799
EIN-ST11: JB1.16 R205.1 | length 4.8
  Bottom Layer w0.35: R205.1@255.868,54.982 JB1.16@255.868,59.799
EIN-ST12: JB1.14 R206.1 | length 5.2
  Bottom Layer w0.25: R206.1@258.255,54.6 R206.1@258.368,54.713
  Bottom Layer w0.35: R206.1@258.368,54.713 JB1.14@258.368,59.799